# KiCad board TEST.kicad_pcb (continued)
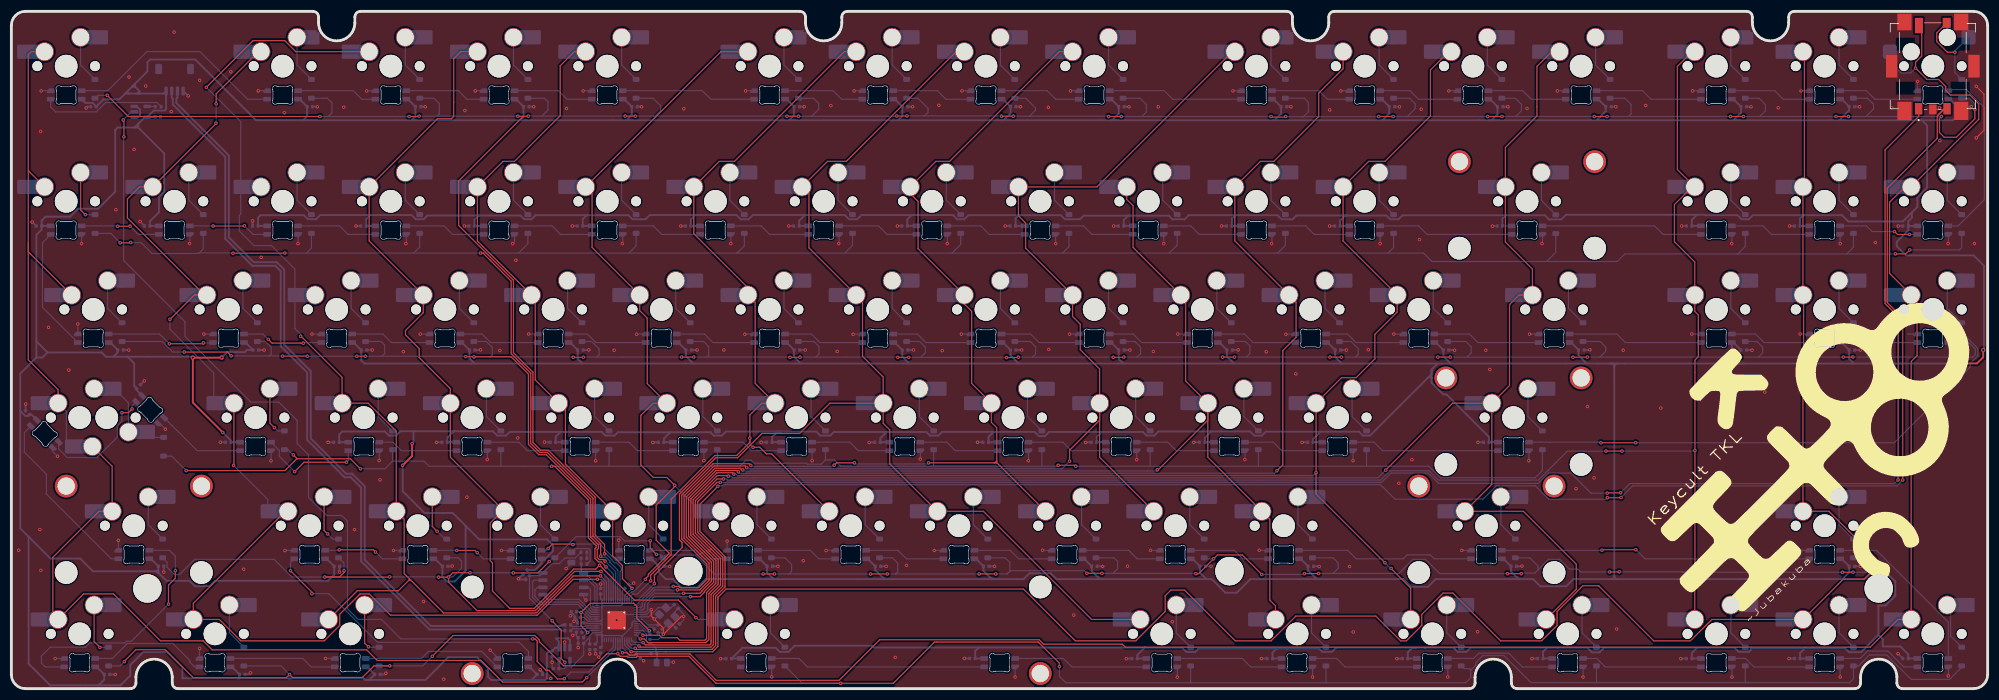
[diagram p0: board, top side]
## Placement (name value [footprint] x y rotation side) (continued)
U4  AP2112K-3.3  [SOT-23-5]  97.39 6.07 270 bottom
Y1  12MHz Crystal 3225  [Crystal_SMD_3225-4Pin_3.2x2.5mm]  115.45 12.88 135 bottom

## Library data of the parts
C1 C3-C5 C7-C15 C-RGB1-C-RGB29 C-RGB31-C-RGB90 C-RGB92 = -: Description: Unpolarized capacitor, small symbol; LCSC: C1525; ki_fp_filters: C_*
C2 C6 C16 = -: Description: Unpolarized capacitor, small symbol; LCSC: C52923; ki_fp_filters: C_*
C17 C18 = -: Description: Unpolarized capacitor, small symbol; LCSC: C315248; ki_fp_filters: C_*
C19 C20 = -: Description: Unpolarized capacitor, small symbol; LCSC: C190090; ki_fp_filters: C_*
D1-D29 D31-D51 D53-D89 = -: VCSC: C2099; ki_fp_filters: D*DO?35*
J1 = -: LCSC: C160404; ki_fp_filters: Connector*:*_1x??-1MP*
LED1-LED29 LED31-LED90 LED92 = -: Description: Reverse mount adressable LED (WS2812 protocol); LCSC: C5149201
MX1-MX29 MX31-MX89 = -: Description: Push button switch, normally open, two pins, 45° tilted, Kailh CPG151101S11 for Cherry MX style switches
R1 = -: Description: Resistor, small symbol; LCSC: C60485; ki_fp_filters: R_*
R2-R4 = -: Description: Resistor, small symbol; LCSC: C25905; ki_fp_filters: R_*
R5 R8 = -: Description: Resistor, small US symbol; LCSC: C106235; ki_fp_filters: R_*
R6 R7 = -: Description: Resistor, small US symbol; LCSC: C22369246; ki_fp_filters: R_*
S1 = -: Description: Rotary encoder, dual channel, incremental quadrate outputs, with switch and MP Pin; ki_fp_filters: RotaryEncoder*Switch*
TP1 TP2 = -: Description: 2-polar test point; ki_fp_filters: Pin* Test*
U1 = -: Datasheet: http://www.ti.com/lit/sg/scyt129e/scyt129e.pdf; Description: Single Buffer Gate Tri-State, Low-Voltage CMOS; LCSC: C7484; ki_fp_filters: SOT* SG-*
U2 = -: MF: Winbond Electronics; MAXIMUM_PACKAGE_HEIGHT: 2.16 mm; Package: SOIC-8 Winbond Electronics; Price: None; Check_prices: https://www.snapeda.com/parts/W25Q128JVSIQ/Winbond/view-part/?ref=eda; STANDARD: IPC-7351B; PARTREV: I; SnapEDA_Link: https://www.snapeda.com/parts/W25Q128JVSIQ/Winbond/view-part/?ref=snap; Purchase-URL: https://www.snapeda.com/api/url_track_click_mouser/?unipart_id=1054022&manufacturer=Winbond Electronics&part_name=W25Q128JVSIQ&search_term=None; Description_1: FLASH - NOR Memory IC 128Mb (16M x 8) SPI - Quad I/O, QPI, DTR 133 MHz 8-SOIC; Availability: In Stock; MANUFACTURER: Winbond Electronics; LCSC: C97521
U3 = -: Datasheet: https://datasheets.raspberrypi.com/rp2040/rp2040-datasheet.pdf; Description: A microcontroller by Raspberry Pi; ki_fp_filters: QFN*1EP*7x7mm?P0.4mm*
U4 = -: Datasheet: https://www.diodes.com/assets/Datasheets/AP2112.pdf; Description: 600mA low dropout linear regulator, with enable pin, 3.8V-6V input voltage range, 3.3V fixed positive output, SOT-23-5; LCSC: C51118; ki_fp_filters: SOT?23?5*
Y1 = -: LCSC: C9002; ki_fp_filters: Crystal*

## Footprints (pads in the part's own frame, mm; a bottom-side part is the same pattern mirrored in y, then rotated)
C_0402_1005Metric
  rrect 0.56x0.62 smd: 1(-0.48,0) 2(0.48,0)
Crystal_SMD_3225-4Pin_3.2x2.5mm
  rrect 1.4x1.2 smd: 1(-1.1,-0.85) 2(1.1,-0.85) 3(1.1,0.85) 4(-1.1,0.85)
D_SOD-123
  rrect 0.9x1.2 smd: 1(-1.65,0) 2(1.65,0)
JST_SH_SM04B-SRSS-TB_1x04-1MP_P1.00mm_Horizontal
  rrect 0.6x1.55 smd: 1(-1.5,2) 2(-0.5,2) 3(0.5,2) 4(1.5,2)
  rrect 1.2x1.8 smd: MP(-2.8,-1.875) MP(2.8,-1.875)
LED_MX_6028R
  rrect 1.35x0.82 smd: 1(2.725,0.75) 2(2.725,-0.75) 3(-2.725,0.75) 4(-2.725,-0.75)
LED_MX_6028R-ROT
  rrect 1.35x0.82 smd: 1(-2.725,-0.75) 2(-2.725,0.75) 3(2.725,-0.75) 4(2.725,0.75)
MountingHole_5mm
  round 5 hole 5 unplated: (0,0)
QFN-56-1EP_7x7mm_P0.4mm_EP3.2x3.2mm_ThermalVias
  rrect 1.24x1.24 smd: (-0.8,-0.8) (-0.8,0.8) (0.8,-0.8) (0.8,0.8)
  rrect 0.875x0.2 smd: 1(-3.438,2.6) 2(-3.438,2.2) 3(-3.438,1.8) 4(-3.438,1.4) 5(-3.438,1) 6(-3.438,0.6) 7(-3.438,0.2) 8(-3.438,-0.2) 9(-3.438,-0.6) 10(-3.438,-1) 11(-3.438,-1.4) 12(-3.438,-1.8) 13(-3.438,-2.2) 14(-3.438,-2.6) 29(3.438,-2.6) 30(3.438,-2.2) 31(3.438,-1.8) 32(3.438,-1.4) 33(3.438,-1) 34(3.438,-0.6) 35(3.438,-0.2) 36(3.438,0.2) 37(3.438,0.6) 38(3.438,1) 39(3.438,1.4) 40(3.438,1.8) 41(3.438,2.2) 42(3.438,2.6)
  rrect 0.2x0.875 smd: 15(-2.6,-3.438) 16(-2.2,-3.438) 17(-1.8,-3.438) 18(-1.4,-3.438) 19(-1,-3.438) 20(-0.6,-3.438) 21(-0.2,-3.438) 22(0.2,-3.438) 23(0.6,-3.438) 24(1,-3.438) 25(1.4,-3.438) 26(1.8,-3.438) 27(2.2,-3.438) 28(2.6,-3.438) 43(2.6,3.438) 44(2.2,3.438) 45(1.8,3.438) 46(1.4,3.438) 47(1,3.438) 48(0.6,3.438) 49(0.2,3.438) 50(-0.2,3.438) 51(-0.6,3.438) 52(-1,3.438) 53(-1.4,3.438) 54(-1.8,3.438) 55(-2.2,3.438) 56(-2.6,3.438)
  round 0.635 hole 0.305: 57(-1.35,-1.35) 57(-1.35,1.35) 57(1.35,-1.35) 57(1.35,1.35)
  rect 3.2x3.2 smd far side: 57(0,0)
  rect 3.2x3.2 smd: 57(0,0)
R_0402_1005Metric
  rrect 0.54x0.64 smd: 1(-0.51,0) 2(0.51,0)
R_0805_2012Metric
  rrect 1.025x1.4 smd: 1(-0.912,0) 2(0.912,0)
SOIC-8_5.3x5.3mm_P1.27mm
  rrect 1.625x0.65 smd: 1(-3.587,1.905) 2(-3.587,0.635) 3(-3.587,-0.635) 4(-3.587,-1.905) 5(3.587,-1.905) 6(3.587,-0.635) 7(3.587,0.635) 8(3.587,1.905)
SOT-23-5
  rrect 1.325x0.6 smd: 1(-1.137,0.95) 2(-1.137,0) 3(-1.137,-0.95) 4(1.137,-0.95) 5(1.137,0.95)
STAB_MX_P_2.25u
  round 4 hole 3.048: (-11.906,6.985) (11.906,6.985)
  round 3.988 hole 3.988 unplated: (-11.906,-8.255) (11.906,-8.255)
STAB_MX_P_2.75u
  round 4 hole 3.048: (-11.906,6.985) (11.906,6.985)
  round 3.988 hole 3.988 unplated: (-11.906,-8.255) (11.906,-8.255)
STAB_MX_P_2u
  round 4 hole 3.048: (-11.906,6.985) (11.906,6.985)
  round 3.988 hole 3.988 unplated: (-11.906,-8.255) (11.906,-8.255)
STAB_MX_P_6.25u
  round 4 hole 3.048: (-50.006,6.985) (50.006,6.985)
  round 3.988 hole 3.988 unplated: (-50.006,-8.255) (50.006,-8.255)
SW_MX_HotSwap_THT
  round 1.7 hole 1.7 unplated: (-5.08,0) (5.08,0)
  round 3 hole 3 unplated: (-3.81,-2.54) (2.54,-5.08)
  round 4 hole 4 unplated: (0,0)
  rrect 2.5x2.55 smd: 1(-7.56,-2.54) 2(6.29,-5.08)
SW_MX_HS_CPG151101S11_1.5u
  round 1.75 hole 1.75 unplated: (-5.08,0) (5.08,0)
  round 3.988 hole 3.988 unplated: (0,0)
  round 3.3 hole 3: 1(3.81,2.54) 2(-2.54,5.08)
  rect 1.65x2.5 smd: 1(5.635,2.54) 2(-4.34,5.08)
  rrect 2.55x2.5 smd: 1(7.36,2.54) 2(-6.09,5.08)
SW_MX_HS_CPG151101S11_1.75u_STP_1.25
  round 1.75 hole 1.75 unplated: (-5.08,0) (5.08,0)
  round 3.988 hole 3.988 unplated: (0,0)
  round 3.3 hole 3: 1(3.81,2.54) 2(-2.54,5.08)
  rect 1.65x2.5 smd: 1(5.635,2.54) 2(-4.34,5.08)
  rrect 2.415x2.5 smd: 1(7.293,2.54)
  rrect 2.55x2.5 smd: 2(-6.09,5.08)
SW_MX_HS_CPG151101S11_1u
  round 1.75 hole 1.75 unplated: (-5.08,0) (5.08,0)
  round 3.988 hole 3.988 unplated: (0,0)
  round 3.3 hole 3: 1(3.81,2.54) 2(-2.54,5.08)
  rect 1.65x2.5 smd: 1(5.635,2.54) 2(-4.34,5.08)
  rrect 2.55x2.5 smd: 1(7.36,2.54) 2(-6.09,5.08)
SW_MX_HS_CPG151101S11_1u#2
  round 1.75 hole 1.75 unplated: (-5.08,0) (5.08,0)
  round 3.988 hole 3.988 unplated: (0,0)
  round 3.3 hole 3: 1(3.81,2.54) 2(-2.54,5.08)
  rect 1.65x2.5 smd: 1(5.635,2.54)
  rrect 2.55x2.5 smd: 1(7.36,2.54)
  rrect 1.685x2.17 smd: 2(-5.657,4.915)
  rect 2.485x2.5 smd: 2(-4.758,5.08)
XDCR_EC11J1520402
  rect 1.3x2 smd: A(-2.5,-7.5) B(2.5,-7.5)
  rect 1.3x1.75 smd: C(0,-7.625)
  rect 1.4x2.7 smd: D(-2.45,7.15)
  rect 1.4x1.75 smd: E(2.45,7.625)
  rect 2x4 smd: MP(-7.25,0) MP(7.25,0)
  rect 2.5x2.95 smd: MP(-5,7.775) MP(5,7.775)
  rect 2.5x3.2 smd: MP(-5,-7.9) MP(5,-7.9)

## Nets
+1V1: C2.1 C3.1 C4.1 C5.1 U3.23 U3.45 U3.50
+3.3V: C6.1 C7.1 C8.1 C9.1 C10.1 C11.1 C12.1 C13.1 C14.1 C15.1 C16.1 C17.1 R2.1 R3.1 U2.8 U3.1 U3.10 U3.22 U3.33 U3.42 U3.43 U3.44 U3.48 U3.49 U4.5
GND: C1.1 C2.2 C3.2 C4.2 C5.2 C6.2 C7.2 C8.2 C9.2 C10.2 C11.2 C12.2 C13.2 C14.2 C15.2 C16.2 C17.2 C18.2 C19.1 C20.1 C-RGB1.1 C-RGB2.1 C-RGB3.1 C-RGB4.1 C-RGB5.1 C-RGB6.1 C-RGB7.1 C-RGB8.1 C-RGB9.1 C-RGB10.1 C-RGB11.1 C-RGB12.1 C-RGB13.1 C-RGB14.1 C-RGB15.1 C-RGB16.1 C-RGB17.1 C-RGB18.1 C-RGB19.1 C-RGB20.1 C-RGB21.1 C-RGB22.1 C-RGB23.1 C-RGB24.1 C-RGB25.1 C-RGB26.1 C-RGB27.1 C-RGB28.1 C-RGB29.1 C-RGB31.1 C-RGB32.1 C-RGB33.1 C-RGB34.1 C-RGB35.1 C-RGB36.1 C-RGB37.1 C-RGB38.1 C-RGB39.1 C-RGB40.1 C-RGB41.1 C-RGB42.1 C-RGB43.1 C-RGB44.1 C-RGB45.1 C-RGB46.1 C-RGB47.1 C-RGB48.1 C-RGB49.1 C-RGB50.1 C-RGB51.1 C-RGB52.1 C-RGB53.1 C-RGB54.1 C-RGB55.1 C-RGB56.1 C-RGB57.1 C-RGB58.1 C-RGB59.1 C-RGB60.1 C-RGB61.1 C-RGB62.1 C-RGB63.1 C-RGB64.1 C-RGB65.1 C-RGB66.1 C-RGB67.1 C-RGB68.1 C-RGB69.1 C-RGB70.1 C-RGB71.1 C-RGB72.1 C-RGB73.1 C-RGB74.1 C-RGB75.1 C-RGB76.1 C-RGB77.1 C-RGB78.1 C-RGB79.1 C-RGB80.1 C-RGB81.1 C-RGB82.1 C-RGB83.1 C-RGB84.1 C-RGB85.1 C-RGB86.1 C-RGB87.1 C-RGB88.1 C-RGB89.1 C-RGB90.1 C-RGB92.1 J1.4 J1.MP LED1.4 LED2.4 LED3.4 LED4.4 LED5.4 LED6.4 LED7.4 LED8.4 LED9.4 LED10.4 LED11.4 LED12.4 LED13.4 LED14.4 LED15.4 LED16.4 LED17.4 LED18.4 LED19.4 LED20.4 LED21.4 LED22.4 LED23.4 LED24.4 LED25.4 LED26.4 LED27.4 LED28.4 LED29.4 LED31.4 LED32.4 LED33.4 LED34.4 LED35.4 LED36.4 LED37.4 LED38.4 LED39.4 LED40.4 LED41.4 LED42.4 LED43.4 LED44.4 LED45.4 LED46.4 LED47.4 LED48.4 LED49.4 LED50.4 LED51.4 LED52.4 LED53.4 LED54.4 LED55.4 LED56.4 LED57.4 LED58.4 LED59.4 LED60.4 LED61.4 LED62.4 LED63.4 LED64.4 LED65.4 LED66.4 LED67.4 LED68.4 LED69.4 LED70.4 LED71.4 LED72.4 LED73.4 LED74.4 LED75.4 LED76.4 LED77.4 LED78.4 LED79.4 LED80.4 LED81.4 LED82.4 LED83.4 LED84.4 LED85.4 LED86.4 LED87.4 LED88.4 LED89.4 LED90.4 LED92.4 S1.C S1.MP TP1.1 TP2.1 U1.1 U1.3 U2.4 U3.19 U3.57 U4.2 Y1.2 Y1.4
/CS_: R4.2 R5.2 U2.1 U3.56
/D+: J1.3 R6.2
/D-: J1.2 R7.1
/RGBD: LED1.3 R1.2
/ROTDI: D16.2 MX16.2 S1.E
/RUN_: R2.2 TP1.2 U3.26
/SCLK_: U2.6 U3.52
/SD0_: U2.5 U3.53
/SD1_: U2.2 U3.55
/SD2_: U2.3 U3.54
/SD3_: U2.7 U3.51
/VFused_: C1.2 C18.1 C-RGB1.2 C-RGB2.2 C-RGB3.2 C-RGB4.2 C-RGB5.2 C-RGB6.2 C-RGB7.2 C-RGB8.2 C-RGB9.2 C-RGB10.2 C-RGB11.2 C-RGB12.2 C-RGB13.2 C-RGB14.2 C-RGB15.2 C-RGB16.2 C-RGB17.2 C-RGB18.2 C-RGB19.2 C-RGB20.2 C-RGB21.2 C-RGB22.2 C-RGB23.2 C-RGB24.2 C-RGB25.2 C-RGB26.2 C-RGB27.2 C-RGB28.2 C-RGB29.2 C-RGB31.2 C-RGB32.2 C-RGB33.2 C-RGB34.2 C-RGB35.2 C-RGB36.2 C-RGB37.2 C-RGB38.2 C-RGB39.2 C-RGB40.2 C-RGB41.2 C-RGB42.2 C-RGB43.2 C-RGB44.2 C-RGB45.2 C-RGB46.2 C-RGB47.2 C-RGB48.2 C-RGB49.2 C-RGB50.2 C-RGB51.2 C-RGB52.2 C-RGB53.2 C-RGB54.2 C-RGB55.2 C-RGB56.2 C-RGB57.2 C-RGB58.2 C-RGB59.2 C-RGB60.2 C-RGB61.2 C-RGB62.2 C-RGB63.2 C-RGB64.2 C-RGB65.2 C-RGB66.2 C-RGB67.2 C-RGB68.2 C-RGB69.2 C-RGB70.2 C-RGB71.2 C-RGB72.2 C-RGB73.2 C-RGB74.2 C-RGB75.2 C-RGB76.2 C-RGB77.2 C-RGB78.2 C-RGB79.2 C-RGB80.2 C-RGB81.2 C-RGB82.2 C-RGB83.2 C-RGB84.2 C-RGB85.2 C-RGB86.2 C-RGB87.2 C-RGB88.2 C-RGB89.2 C-RGB90.2 C-RGB92.2 J1.1 LED1.1 LED2.1 LED3.1 LED4.1 LED5.1 LED6.1 LED7.1 LED8.1 LED9.1 LED10.1 LED11.1 LED12.1 LED13.1 LED14.1 LED15.1 LED16.1 LED17.1 LED18.1 LED19.1 LED20.1 LED21.1 LED22.1 LED23.1 LED24.1 LED25.1 LED26.1 LED27.1 LED28.1 LED29.1 LED31.1 LED32.1 LED33.1 LED34.1 LED35.1 LED36.1 LED37.1 LED38.1 LED39.1 LED40.1 LED41.1 LED42.1 LED43.1 LED44.1 LED45.1 LED46.1 LED47.1 LED48.1 LED49.1 LED50.1 LED51.1 LED52.1 LED53.1 LED54.1 LED55.1 LED56.1 LED57.1 LED58.1 LED59.1 LED60.1 LED61.1 LED62.1 LED63.1 LED64.1 LED65.1 LED66.1 LED67.1 LED68.1 LED69.1 LED70.1 LED71.1 LED72.1 LED73.1 LED74.1 LED75.1 LED76.1 LED77.1 LED78.1 LED79.1 LED80.1 LED81.1 LED82.1 LED83.1 LED84.1 LED85.1 LED86.1 LED87.1 LED88.1 LED89.1 LED90.1 LED92.1 U1.5 U4.1 U4.3
/XIN_: C20.2 U3.20 Y1.3
/XOUT_: R8.2 U3.21
GP0: MX2.1 MX18.1 MX36.1 MX54.1 MX67.1 MX80.1 U3.2
GP1: MX3.1 MX19.1 MX37.1 MX55.1 MX68.1 MX81.1 U3.3
GP2: D66.1 D67.1 D68.1 D69.1 D70.1 D71.1 D72.1 D73.1 D74.1 D75.1 D76.1 D77.1 D78.1 U3.4
GP3: MX4.1 MX20.1 MX38.1 MX56.1 MX69.1 MX82.1 U3.5
GP4: D53.1 D54.1 D55.1 D56.1 D57.1 D58.1 D59.1 D60.1 D61.1 D62.1 D63.1 D64.1 D65.1 U3.6
GP5: D35.1 D36.1 D37.1 D38.1 D39.1 D40.1 D41.1 D42.1 D43.1 D44.1 D45.1 D46.1 D47.1 D48.1 D49.1 D50.1 D51.1 U3.7
GP6: D17.1 D18.1 D19.1 D20.1 D21.1 D22.1 D23.1 D24.1 D25.1 D26.1 D27.1 D28.1 D29.1 D31.1 D32.1 D33.1 D34.1 U3.8
GP7: D1.1 D2.1 D3.1 D4.1 D5.1 D6.1 D7.1 D8.1 D9.1 D10.1 D11.1 D12.1 D13.1 D14.1 D15.1 D16.1 U3.9
GP8: MX5.1 MX21.1 MX39.1 MX57.1 MX70.1 U3.11
GP9: MX6.1 MX22.1 MX40.1 MX58.1 MX71.1 U3.12
GP10: MX7.1 MX23.1 MX41.1 MX59.1 MX72.1 U3.13
GP11: MX8.1 MX24.1 MX42.1 MX60.1 MX73.1 MX83.1 U3.14
GP12: MX9.1 MX25.1 MX43.1 MX61.1 MX74.1 U3.15
GP13: MX10.1 MX26.1 MX44.1 MX62.1 MX75.1 U3.16
GP14: MX27.1 MX45.1 MX63.1 MX76.1 MX84.1 U3.17
GP15: MX11.1 MX28.1 MX46.1 U3.18
GP16: MX12.1 MX29.1 MX47.1 MX64.1 MX85.1 U3.27
GP17: MX13.1 MX31.1 MX48.1 MX65.1 MX77.1 MX86.1 U3.28
GP18: MX14.1 MX32.1 MX49.1 MX87.1 U3.29
GP19: S1.A U3.30
GP20: S1.B U3.31
GP21: MX15.1 MX33.1 MX50.1 MX78.1 MX88.1 U3.32
GP22: MX16.1 MX34.1 MX51.1 MX89.1 S1.D U3.34
GP23: D79.1 D80.1 D81.1 D82.1 D83.1 D84.1 D85.1 D86.1 D87.1 D88.1 D89.1 U3.35
GP24: MX1.1 MX17.1 MX35.1 MX52.2 MX53.1 MX66.1 MX79.1 U3.36
GP25: U1.2 U3.37
Net-(C19-Pad2): C19.2 R8.1 Y1.1
Net-(D1-A): D1.2 MX1.2
Net-(D2-A): D2.2 MX2.2
Net-(D3-A): D3.2 MX3.2
Net-(D4-A): D4.2 MX4.2
Net-(D5-A): D5.2 MX5.2
Net-(D6-A): D6.2 MX6.2
Net-(D7-A): D7.2 MX7.2
Net-(D8-A): D8.2 MX8.2
Net-(D9-A): D9.2 MX9.2
Net-(D10-A): D10.2 MX10.2
Net-(D11-A): D11.2 MX11.2
Net-(D12-A): D12.2 MX12.2
Net-(D13-A): D13.2 MX13.2
Net-(D14-A): D14.2 MX14.2
Net-(D15-A): D15.2 MX15.2
Net-(D17-A): D17.2 MX17.2
Net-(D18-A): D18.2 MX18.2
Net-(D19-A): D19.2 MX19.2
Net-(D20-A): D20.2 MX20.2
Net-(D21-A): D21.2 MX21.2
Net-(D22-A): D22.2 MX22.2
Net-(D23-A): D23.2 MX23.2
Net-(D24-A): D24.2 MX24.2
Net-(D25-A): D25.2 MX25.2
Net-(D26-A): D26.2 MX26.2
Net-(D27-A): D27.2 MX27.2
Net-(D28-A): D28.2 MX28.2
Net-(D29-A): D29.2 MX29.2
Net-(D31-A): D31.2 MX31.2
Net-(D32-A): D32.2 MX32.2
Net-(D33-A): D33.2 MX33.2
Net-(D34-A): D34.2 MX34.2
Net-(D35-A): D35.2 MX35.2
Net-(D36-A): D36.2 MX36.2
Net-(D37-A): D37.2 MX37.2
Net-(D38-A): D38.2 MX38.2
Net-(D39-A): D39.2 MX39.2
Net-(D40-A): D40.2 MX40.2
Net-(D41-A): D41.2 MX41.2
Net-(D42-A): D42.2 MX42.2
Net-(D43-A): D43.2 MX43.2
Net-(D44-A): D44.2 MX44.2
Net-(D45-A): D45.2 MX45.2
Net-(D46-A): D46.2 MX46.2
Net-(D47-A): D47.2 MX47.2
Net-(D48-A): D48.2 MX48.2
Net-(D49-A): D49.2 MX49.2
Net-(D50-A): D50.2 MX50.2
Net-(D51-A): D51.2 MX51.2
Net-(D53-A): D53.2 MX52.1 MX53.2
Net-(D54-A): D54.2 MX54.2
Net-(D55-A): D55.2 MX55.2
Net-(D56-A): D56.2 MX56.2
Net-(D57-A): D57.2 MX57.2
Net-(D58-A): D58.2 MX58.2
Net-(D59-A): D59.2 MX59.2
Net-(D60-A): D60.2 MX60.2
Net-(D61-A): D61.2 MX61.2
Net-(D62-A): D62.2 MX62.2
Net-(D63-A): D63.2 MX63.2
Net-(D64-A): D64.2 MX64.2
Net-(D65-A): D65.2 MX65.2
Net-(D66-A): D66.2 MX66.2
Net-(D67-A): D67.2 MX67.2
Net-(D68-A): D68.2 MX68.2
Net-(D69-A): D69.2 MX69.2
Net-(D70-A): D70.2 MX70.2
Net-(D71-A): D71.2 MX71.2
Net-(D72-A): D72.2 MX72.2
Net-(D73-A): D73.2 MX73.2
Net-(D74-A): D74.2 MX74.2
Net-(D75-A): D75.2 MX75.2
Net-(D76-A): D76.2 MX76.2
Net-(D77-A): D77.2 MX77.2
Net-(D78-A): D78.2 MX78.2
Net-(D79-A): D79.2 MX79.2
Net-(D80-A): D80.2 MX80.2
Net-(D81-A): D81.2 MX81.2
Net-(D82-A): D82.2 MX82.2
Net-(D83-A): D83.2 MX83.2
Net-(D84-A): D84.2 MX84.2
Net-(D85-A): D85.2 MX85.2
Net-(D86-A): D86.2 MX86.2
Net-(D87-A): D87.2 MX87.2
Net-(D88-A): D88.2 MX88.2
Net-(D89-A): D89.2 MX89.2
Net-(LED1-DOUT): LED1.2 LED2.3
Net-(LED2-DOUT): LED2.2 LED3.3
Net-(LED3-DOUT): LED3.2 LED4.3
Net-(LED4-DOUT): LED4.2 LED5.3
Net-(LED5-DOUT): LED5.2 LED6.3
Net-(LED6-DOUT): LED6.2 LED7.3
Net-(LED7-DOUT): LED7.2 LED8.3
Net-(LED8-DOUT): LED8.2 LED9.3
Net-(LED10-DIN): LED9.2 LED10.3
Net-(LED10-DOUT): LED10.2 LED11.3
Net-(LED11-DOUT): LED11.2 LED12.3
Net-(LED12-DOUT): LED12.2 LED13.3
Net-(LED13-DOUT): LED13.2 LED14.3
Net-(LED14-DOUT): LED14.2 LED15.3
Net-(LED15-DOUT): LED15.2 LED16.3
Net-(LED16-DOUT): LED16.2 LED34.3
Net-(LED17-DIN): LED17.3 LED18.2
Net-(LED17-DOUT): LED17.2 LED35.3
Net-(LED18-DIN): LED18.3 LED19.2
Net-(LED19-DIN): LED19.3 LED20.2
Net-(LED20-DIN): LED20.3 LED21.2
Net-(LED21-DIN): LED21.3 LED22.2
Net-(LED22-DIN): LED22.3 LED23.2
Net-(LED23-DIN): LED23.3 LED24.2
Net-(LED24-DIN): LED24.3 LED25.2
Net-(LED25-DIN): LED25.3 LED26.2
Net-(LED26-DIN): LED26.3 LED27.2
Net-(LED27-DIN): LED27.3 LED28.2
Net-(LED28-DIN): LED28.3 LED29.2
Net-(LED29-DIN): LED29.3 LED31.2
Net-(LED31-DIN): LED31.3 LED32.2
Net-(LED32-DIN): LED32.3 LED33.2
Net-(LED33-DIN): LED33.3 LED34.2
Net-(LED35-DOUT): LED35.2 LED36.3
Net-(LED36-DOUT): LED36.2 LED37.3
Net-(LED37-DOUT): LED37.2 LED38.3
Net-(LED38-DOUT): LED38.2 LED39.3
Net-(LED39-DOUT): LED39.2 LED40.3
Net-(LED40-DOUT): LED40.2 LED41.3
Net-(LED41-DOUT): LED41.2 LED42.3
Net-(LED42-DOUT): LED42.2 LED43.3
Net-(LED43-DOUT): LED43.2 LED44.3
Net-(LED44-DOUT): LED44.2 LED45.3
Net-(LED45-DOUT): LED45.2 LED46.3
Net-(LED46-DOUT): LED46.2 LED47.3
Net-(LED47-DOUT): LED47.2 LED48.3
Net-(LED48-DOUT): LED48.2 LED49.3
Net-(LED49-DOUT): LED49.2 LED50.3
Net-(LED50-DOUT): LED50.2 LED51.3
Net-(LED51-DOUT): LED51.2 LED65.3
Net-(LED52-DIN): LED52.3 LED54.2
Net-(LED52-DOUT): LED52.2 LED53.3
Net-(LED53-DOUT): LED53.2 LED66.3
Net-(LED54-DIN): LED54.3 LED55.2
Net-(LED55-DIN): LED55.3 LED56.2
Net-(LED56-DIN): LED56.3 LED57.2
Net-(LED57-DIN): LED57.3 LED58.2
Net-(LED58-DIN): LED58.3 LED59.2
Net-(LED59-DIN): LED59.3 LED60.2
Net-(LED60-DIN): LED60.3 LED61.2
Net-(LED61-DIN): LED61.3 LED62.2
Net-(LED62-DIN): LED62.3 LED63.2
Net-(LED63-DIN): LED63.3 LED64.2
Net-(LED64-DIN): LED64.3 LED65.2
Net-(LED66-DOUT): LED66.2 LED79.3
Net-(LED67-DIN): LED67.3 LED82.2
Net-(LED67-DOUT): LED67.2 LED68.3
Net-(LED68-DOUT): LED68.2 LED69.3
Net-(LED69-DOUT): LED69.2 LED70.3
Net-(LED70-DOUT): LED70.2 LED71.3
Net-(LED71-DOUT): LED71.2 LED72.3
Net-(LED72-DOUT): LED72.2 LED73.3
Net-(LED73-DOUT): LED73.2 LED74.3
Net-(LED74-DOUT): LED74.2 LED75.3
Net-(LED75-DOUT): LED75.2 LED76.3
Net-(LED76-DOUT): LED76.2 LED77.3
Net-(LED77-DOUT): LED77.2 LED78.3
Net-(LED78-DOUT): LED78.2 LED89.3
Net-(LED79-DOUT): LED79.2 LED80.3
Net-(LED80-DOUT): LED80.2 LED81.3
Net-(LED81-DOUT): LED81.2 LED82.3
Net-(LED83-DIN): LED83.3 LED84.2
Net-(LED83-DOUT): LED83.2 LED90.3
Net-(LED84-DIN): LED84.3 LED85.2
Net-(LED85-DIN): LED85.3 LED86.2
Net-(LED86-DIN): LED86.3 LED87.2
Net-(LED87-DIN): LED87.3 LED88.2
Net-(LED88-DIN): LED88.3 LED89.2
Net-(LED90-DOUT): LED90.2 LED92.3
Net-(R1-Pad1): R1.1 U1.4
Net-(R3-Pad2): R3.2 R4.1
Net-(R5-Pad1): R5.1 TP2.2
Net-(U3-USB_DM): R7.2 U3.46
Net-(U3-USB_DP): R6.1 U3.47

Pads without a net: LED92 2; U3 24 25 38 39 40 41; U4 4

## Via types
v1: diameter 0.6, hole 0.3, Top to Bottom, 500 vias
v2: diameter 0.762, hole 0.381, Top to Bottom, 5 vias

## Routing (per net, layer and track width the routed paths; a pad name or vN(x,y) marks a point on that pad's centre or on a via; arc(x,y) is an arc through that point)
+1V1: length 32.1
  Top w0.2: v1(112.32,10.22) 110.12,12.42 110.12,14.47 109.54,15.05 101.92,15.05 v1(100.29,13.42) 100.29,11.07 v1(101.46,9.9)
  Bottom w0.2: v1(112.32,10.22) 112.41,10.13 C4.1 112.39,9.62 110.55,11.46 U3.23 ; 101.21,9.64 v1(101.46,9.9) ; 101.21,9.64 101.15,9.58 ; 101.21,9.64 100.74,9.17 C2.1 ; v1(101.46,9.9) 101.41,9.95 C5.1 ; v1(101.46,9.9) 101.83,10.26 U3.45 ; 100.32,13.45 v1(100.29,13.42) ; 100.32,13.45 100.53,13.45 101.72,12.26 U3.50 ; 100.32,13.45 100.1,13.45 100.01,13.54 C3.1
+3.3V: length 91.5
  Top w0.2: v1(97.45,4.64) 96.79,5.3 96.79,10.29 95.22,11.91 v1(95.22,11.94)
  Bottom w0.2: 103.96,12.16 103.66,11.86 U3.49 101.55,11.86 100.86,12.55 C14.1 ; 103.96,12.16 103.96,11.22 ; 103.96,12.16 103.96,14.16 ; v1(97.45,4.64) 97.48,4.61 97.48,3.89 97.59,3.78 ; C11.1 107.56,17.2 U3.10 107.56,14.8 107.38,14.62 104.15,14.62 ; 103.12,8.33 U3.43 103.77,9.46 103.96,9.27 ; 103.12,8.33 103.12,8.16 ; 103.12,8.33 103.12,8.18 C10.1 ; 107.66,9.36 109.26,10.96 109.26,11.66 109.46,11.86 U3.22 110.8,11.86 111.84,10.82 112.84,10.82 C9.1 ; 107.66,9.36 107.36,9.36 ; 107.66,9.36 107.56,9.26 107.56,9.16 ; U4.5 96.44,3.59 C17.1 97.33,3.52 97.59,3.78 ; 103.96,7.43 103.79,7.26 ; 103.96,14.16 103.96,14.43 104.15,14.62 ; 103.96,14.16 103.96,14.62 ; 104.16,9.36 103.96,9.56 ; 104.16,9.36 103.96,9.16 ; 104.16,9.36 107.36,9.36 ; 103.96,9.56 103.96,10.11 ; 103.96,9.56 103.96,9.27 ; v1(95.22,11.94) 91.21,15.95 C16.1 93.07,19.9 95.21,22.04 96.47,22.04 97.46,23.02 99.27,23.02 R3.1 ; 97.59,3.78 98.59,3.78 100.75,5.94 C13.1 100.75,7.99 101.53,8.77 101.81,8.77 ; 101.81,8.77 101.81,9.32 102.35,9.86 U3.44 103.71,9.86 103.96,10.11 ; 101.81,8.77 C6.1 ; 103.96,9.16 103.96,9.27 ; 103.96,9.16 U3.42 103.96,7.47 C15.1 ; 103.96,11.22 103.96,10.11 ; 103.96,11.22 103.72,11.46 U3.48 101.36,11.46 101.24,11.58 C12.1 ; 107.36,9.36 107.56,9.16 ; C8.1 103.74,15.72 U3.1 103.96,14.62 ; 103.96,14.62 104.15,14.62 ; 103.96,7.44 103.78,7.26 ; 107.56,9.16 U3.33 107.56,7.21 108.89,5.88 109.33,5.88 109.51,6.06 C7.1 112.45,6.06 R2.1
GND: length 297.9
  Top w0.2: v1(118.35,12.73) 117.94,12.73 v1(114.78,9.57) 114.78,10.66 v1(113.17,12.27) 112.66,12.78 v1(112.66,13.91) ; S1.C 339.18,102.04 v1(339.45,102.31) ; v1(345.91,97.01) 347.27,98.37 347.27,104.73 v1(345.9,106.1)
  Bottom w0.2: LED56.4 83.81,40.39 v1(83.78,40.36) ; v1(12.36,78.4) 12.38,78.42 LED17.4 ; v1(45.71,40.14) 45.71,40.14 LED54.4 ; LED70.4 106.94,26.16 v1(106.94,26.16) ; v1(31.36,78.4) 31.43,78.47 LED18.4 ; v1(321.95,2.06) 321.94,2.07 LED88.4 ; v1(102.85,6.12) 102.78,6.19 C10.2 ; v1(50.46,78.4) 50.48,78.42 LED19.4 ; LED15.4 315.09,105.33 v1(315.06,105.3) ; LED52.4 26.15,46.67 v1(27.11,45.71) ; v1(110.07,62.42) 110.12,62.47 LED40.4 ; 115.4,4.67 116.54,4.67 v1(116.55,4.66) ; v1(71.98,62.46) 71.99,62.47 LED38.4 ; LED46.4 224.41,62.47 v1(224.37,62.43) ; LED13.4 272.19,105.33 v1(272.16,105.3) ; 268.86,62.47 267.29,62.47 v1(267.27,62.45) ; v1(126.66,78.4) 126.68,78.42 LED23.4 ; Y1.4 116.83,13.59 C20.1 118.35,13.15 v1(118.35,12.73) 118.35,12.1 C19.1 ; v1(160,40.42) 160.01,40.43 160.01,41.92 ; LED43.4 167.24,62.47 v1(167.23,62.46) ; Y1.2 113.28,12.27 v1(113.17,12.27) ; LED81.4 55.33,5.32 v1(55.32,5.31) ; LED39.4 v1(91.07,62.47) ; v1(88.26,78.4) 88.58,78.72 LED21.4 ; v1(18.83,26.12) 18.83,26.12 LED66.4 ; 98.95,13.13 98.68,12.85 v1(98.42,12.85) ; 98.95,13.13 C3.2 ; 98.95,13.13 99.19,12.89 C14.2 99.67,12.07 ; v1(162.48,24.34) 162.51,24.37 LED73.4 ; v1(98.83,9.39) 98.9,9.46 99.47,9.46 ; v1(243.38,62.46) 243.39,62.47 LED47.4 ; 236.21,41.92 236.21,40.18 v1(236.19,40.16) ; LED6.4 129.29,105.33 v1(129.26,105.3) ; LED62.4 198.11,40.34 v1(198.11,40.34) ; LED87.4 302.89,2.06 v1(302.9,2.05) ; v1(62.56,105.3) 62.59,105.33 LED3.4 ; v1(101.83,6.12) 101.81,6.14 C6.2 ; v1(107.56,78.4) 107.63,78.47 LED22.4 ; LED55.4 64.76,40.2 v1(64.74,40.18) ; LED28.4 221.93,78.47 v1(221.86,78.4) ; LED78.4 314.91,24.37 v1(314.86,24.32) ; C8.2 v1(103.74,18.43) ; LED12.4 253.09,105.33 v1(253.06,105.3) ; LED33.4 321.94,78.42 v1(321.96,78.4) ; v1(5.24,105.3) 5.27,105.33 LED1.4 ; LED44.4 186.32,62.47 v1(186.3,62.45) ; v1(84.29,6.78) 85.54,5.53 LED82.4 ; LED4.4 81.69,105.33 v1(81.66,105.3) ; LED80.4 33.12,7.07 v1(33.13,7.08) ; C17.2 95.19,3.74 v1(95.19,4.64) 95.2,4.65 C18.2 ; v1(109.56,18.6) 109.3,18.34 C11.2 ; v1(181.54,24.38) 181.55,24.37 LED74.4 ; v1(126,25.99) 125.99,25.98 LED71.4 ; v1(145.66,78.4) 145.73,78.47 LED24.4 ; LED75.4 v1(200.54,24.37) ; LED27.4 202.88,78.42 v1(202.86,78.4) ; v1(183.86,78.4) 183.83,78.43 LED26.4 ; v1(335.58,106.98) 335.54,106.94 LED16.4 ; LED77.4 255.37,24.37 v1(255.35,24.35) ; v1(219.67,24.38) 219.68,24.37 LED76.4 ; C9.2 114.53,9.82 v1(114.78,9.57) 113.87,8.66 C4.2 ; TP2.1 98.59,22.1 v1(97.65,21.16) ; v1(164.76,78.4) 164.78,78.42 LED25.4 ; C5.2 99.47,9.46 ; 99.47,9.46 99.47,9.28 C2.2 99.78,7.99 C13.2 99.79,7.24 v1(99.78,7.23) ; v1(143.42,24.33) 143.46,24.37 LED72.4 ; v1(186.46,105.3) 186.49,105.33 LED9.4 ; 102.86,41.92 102.86,40.13 v1(102.86,40.13) ; LED86.4 276.69,2.05 v1(276.69,2.05) ; v1(295.84,62.48) 295.85,62.47 LED49.4 ; v1(121.92,40.16) 121.91,40.17 LED58.4 ; v1(101.15,15.61) 100.76,16 100.76,16.57 ; v1(129.12,62.43) 129.16,62.47 LED41.4 ; v1(340.96,78.4) 340.99,78.43 LED34.4 ; v1(314.9,62.48) 314.91,62.47 LED50.4 ; LED67.4 48.21,24.37 v1(48.17,24.33) ; v1(295.96,105.3) 295.99,105.33 LED14.4 ; LED10.4 215.09,105.33 v1(215.06,105.3) ; v1(148.36,105.3) 148.39,105.33 LED7.4 ; 110.71,5.45 110.75,5.45 v1(111.3,4.9) ; LED37.4 v1(52.93,62.47) ; v1(97.39,8.19) 97.39,8.19 U4.2 ; v2(106.56,12.06) 107.56,13.06 U3.19 111.8,13.06 v1(112.66,13.91) ; LED8.4 167.39,105.33 v1(167.36,105.3) ; C15.2 103.75,5.9 v1(103.4,5.55) ; C12.2 99.67,12.07 ; 99.67,12.07 99.25,12.07 v1(99.06,11.87) ; LED31.4 269.55,78.49 v1(269.46,78.4) ; v1(252.88,2.06) 252.88,2.06 LED85.4 ; LED11.4 234.09,105.33 v1(234.06,105.3) ; LED65.4 267.17,40.17 v1(267.15,40.15) ; v1(43.46,105.3) 43.49,105.33 LED2.4 ; v1(7.7,5.3) 7.72,5.32 LED79.4 ; v1(148.19,62.43) 148.23,62.47 LED42.4 ; LED35.4 11.69,64.22 v1(11.7,64.23) ; LED84.4 v1(229.07,2.05) ; v1(140.96,40.15) 140.96,40.15 LED59.4 ; v1(69.46,78.4) 69.53,78.47 LED20.4 ; LED32.4 302.89,78.43 v1(302.86,78.4) ; LED63.4 217.16,40.37 v1(217.15,40.36) ; v1(8.12,40.93) 7.28,41.77 LED53.4 ; LED51.4 333.92,62.47 333.89,62.5 ; v1(133.87,2.08) 133.86,2.09 LED92.4 ; v1(205.34,62.46) 205.35,62.47 LED45.4 ; v1(100.66,105.3) 100.69,105.33 LED5.4 ; LED68.4 67.3,24.37 v1(67.27,24.34) ; v1(340.98,2.24) 340.99,2.25 LED89.4 ; v1(179.03,40.15) 179.06,40.18 LED61.4 ; LED83.4 205.26,2.01 v1(205.26,2.01) ; LED69.4 86.31,24.37 v1(86.29,24.35) ; v1(240.96,78.4) 240.98,78.42 LED29.4 ; 344.54,59.69 v1(344.5,59.65) ; LED90.4 176.72,2.06 v1(176.7,2.04) ; LED36.4 v1(33.89,62.47)
  Bottom w0.33: C-RGB44.1 196.91,59.65 v1(196.92,59.65) ; C-RGB69.1 90.1,20.19 v1(89.27,19.36) 89.41,19.22 C16.2 ; C-RGB11.1 244.34,102.52 v1(244.36,102.5) ; v1(282.46,102.5) 282.44,102.52 C-RGB13.1 ; C-RGB63.1 208.2,43.4 v1(208.17,43.37) ; C-RGB26.1 v1(174.96,81.5) ; v1(227.23,43.38) 227.25,43.4 C-RGB64.1 ; C-RGB20.1 v1(60.66,81.5) ; v1(115.91,21.55) 115.9,21.55 C-RGB70.1 ; C-RGB29.1 v1(232.06,81.5) ; v1(42.46,82.4) 42.47,82.39 C-RGB19.1 ; v1(63.56,59.66) 63.55,59.65 C-RGB37.1 ; v1(18.29,2.49) 18.28,2.5 C-RGB79.1 ; C-RGB72.1 153.98,21.55 v1(154,21.54) ; C-RGB9.1 196.74,102.52 v1(196.76,102.5) ; C-RGB41.1 139.75,59.65 v1(139.76,59.65) ; C-RGB90.1 167.76,5.33 v1(167.74,5.31) ; v1(277.89,59.69) 277.85,59.65 C-RGB48.1 ; C-RGB57.1 93.9,43.4 v1(93.86,43.44) ; C-RGB23.1 v1(117.86,81.5) ; U1.1 22.29,100.67 22.66,101.03 22.66,101.99 22.08,102.57 U1.3 ; C-RGB42.1 158.8,59.65 v1(158.81,59.66) ; C-RGB45.1 215.95,59.65 v1(215.97,59.67) ; C-RGB28.1 v1(213.06,81.5) ; v1(258.19,43.39) 258.2,43.4 C-RGB65.1 ; C-RGB61.1 170.09,43.4 v1(170.08,43.41) ; v1(139.56,102.5) 139.54,102.52 C-RGB6.1 ; v1(31.13,104.42) 30.27,105.28 J1.4 ; v1(192.13,21.53) 192.1,21.55 C-RGB74.1 ; C-RGB33.1 v1(313.06,81.5) ; C-RGB56.1 74.86,43.4 v1(74.85,43.39) ; C-RGB38.1 82.57,59.65 v1(82.6,59.68) ; v1(225.26,102.5) 225.24,102.52 C-RGB10.1 ; C-RGB43.1 177.85,59.65 v1(177.86,59.65) ; v1(177.66,102.5) 177.64,102.52 C-RGB8.1 ; v1(189.14,43.37) 189.17,43.4 C-RGB62.1 ; C-RGB31.1 260.76,81.5 v1(260.73,81.48) ; 332.98,81.5 v1(332.16,81.5) ; C-RGB21.1 v1(79.76,81.5) ; v1(325.49,21.54) 325.47,21.55 C-RGB78.1 ; v1(53.86,102.5) 53.84,102.52 C-RGB2.1 ; v1(26.84,20.53) 26.83,20.54 C-RGB66.1 ; C-RGB68.1 77.57,21.55 v1(77.62,21.6) ; C-RGB84.1 220.07,5.3 v1(220.06,5.29) ; v1(293.9,5.28) 293.92,5.3 C-RGB87.1 ; v1(263.46,102.5) 263.44,102.52 C-RGB12.1 ; v1(22.66,82.3) 23.42,81.54 C-RGB18.1 ; v1(13.16,102.3) 13.38,102.52 C-RGB1.1 ; C-RGB32.1 v1(294.06,81.5) ; v1(265.94,21.59) 265.9,21.55 C-RGB77.1 ; C-RGB92.1 124.87,5.28 v1(124.85,5.26) ; C-RGB4.1 91.94,102.52 v1(91.96,102.5) ; v1(243.89,5.28) 243.91,5.3 C-RGB85.1 ; v1(173.08,21.55) 173.07,21.55 C-RGB73.1 ; C-RGB80.1 41.83,2.5 v1(42.1,2.77) ; C-RGB53.1 2.5,50.11 v1(2.53,50.14) ; v1(235.01,59.64) 234.99,59.65 C-RGB46.1 ; C-RGB22.1 v1(98.76,81.5) ; v1(20.67,59.64) 20.65,59.65 C-RGB35.1 ; C-RGB39.1 101.65,59.65 v1(101.67,59.67) ; v1(151.01,43.35) 151.06,43.4 C-RGB60.1 ; v1(112.95,43.36) 112.99,43.4 C-RGB58.1 ; 57.79,21.55 57.79,20.54 v1(57.79,20.54) ; C-RGB14.1 306.24,102.52 v1(306.26,102.5) ; v1(110.96,102.5) 110.94,102.52 C-RGB5.1 ; v1(306.44,59.62) 306.4,59.65 C-RGB49.1 ; v1(44.5,59.65) 44.49,59.65 C-RGB36.1 ; C-RGB17.1 4.36,81.5 v1(3.66,82.2) ; C-RGB51.1 v1(344.5,59.65) ; C-RGB82.1 93.51,2.89 v1(93.09,3.31) ; v1(120.72,59.66) 120.71,59.65 C-RGB40.1 ; v1(134.95,21.56) 134.94,21.55 C-RGB71.1 ; C-RGB52.1 22.73,53.54 v1(23.4,54.21) ; C-RGB88.1 v1(312.94,5.3) ; C-RGB16.1 345.02,102.52 v1(345.03,102.53) ; v1(230.23,21.51) 230.18,21.55 C-RGB76.1 ; C-RGB81.1 65.71,2.5 v1(65.93,2.72) ; v1(196.28,5.27) 196.31,5.3 C-RGB83.1 ; v1(211.18,21.56) 211.17,21.55 C-RGB75.1 ; C-RGB7.1 158.64,102.52 v1(158.66,102.5) ; C-RGB25.1 v1(155.96,81.5) ; v1(254.07,59.61) 254.02,59.65 C-RGB47.1 ; C-RGB27.1 v1(194.06,81.5) ; C-RGB50.1 325.49,59.65 v1(325.51,59.64) ; C-RGB59.1 v1(131.99,43.4) ; 332.98,5.3 332.98,5.31 v1(332.15,6.14) ; v1(72.86,102.5) 72.84,102.52 C-RGB3.1 ; C-RGB24.1 v1(136.86,81.5) ; C-RGB86.1 267.72,5.3 v1(267.7,5.28) ; C-RGB54.1 v1(36.8,43.4) ; v1(325.36,102.5) 325.34,102.52 C-RGB15.1 ; C-RGB55.1 v1(55.76,43.4)
  vias: v1(1.29,24.38) v1(5.02,28.02) v1(5.15,98.16) v1(5.2,20.84) v1(6.55,63.64) v1(10.11,56.12) v1(18.41,84.37) v1(20.72,107.75) v1(21.6,94.99) v1(23.65,106.16) v1(28.15,101.66) v1(28.65,115.66) v1(33.15,107.16) v1(38.65,108.66) v1(40.9,21.05) v1(43.99,75.99) v1(48.05,101.46) v1(58.52,102.43) v1(60.42,28.02) v1(64.91,36.79) v1(69.01,59.37) v1(72.55,15.35) v1(76.12,1.67) v1(79.85,101.84) v1(80.19,33.73) v1(85.97,59.57) v1(88.82,75.47) v1(89.15,44.16) v1(94.96,1.81) v1(97.74,102.2) v1(106.12,59.62) v1(118.39,102.16) v1(125.44,59.67) v1(139.42,22.54) v1(144.27,102.72) v1(145.38,59.41) v1(155.59,5.5) v1(157.58,21.72) v1(163.28,102.77) v1(163.87,59.54) v1(182.56,102.39) v1(182.64,59.75) v1(187.03,12.96) v1(196.5,21.58) v1(201.04,59.4) v1(201.9,102.5) v1(204.37,11.79) v1(220.91,59.34) v1(226.12,55.45) v1(232.09,101.95) v1(235.58,21.51) v1(236.23,9.98) v1(238.88,59.7) v1(244.26,36.17) v1(246.56,40.34) v1(247.89,79.11) v1(248.19,102.07) v1(258.12,10.03) v1(259.57,59.61) v1(260.28,56.22) v1(266.82,102.2) v1(275.45,35.23) v1(277.46,49.7) v1(278.62,37.13) v1(282.6,10.51) v1(283.75,59.61) v1(287.73,102.73) v1(290.37,49.43) v1(308.68,52.25) v1(311.05,102.32) v1(325.74,50.67) v1(328.15,78.59) v1(331.04,102.32) v1(339.5,96.55) v1(345.58,78.41)
